# KiCad board shimarray.kicad_pcb (continued)
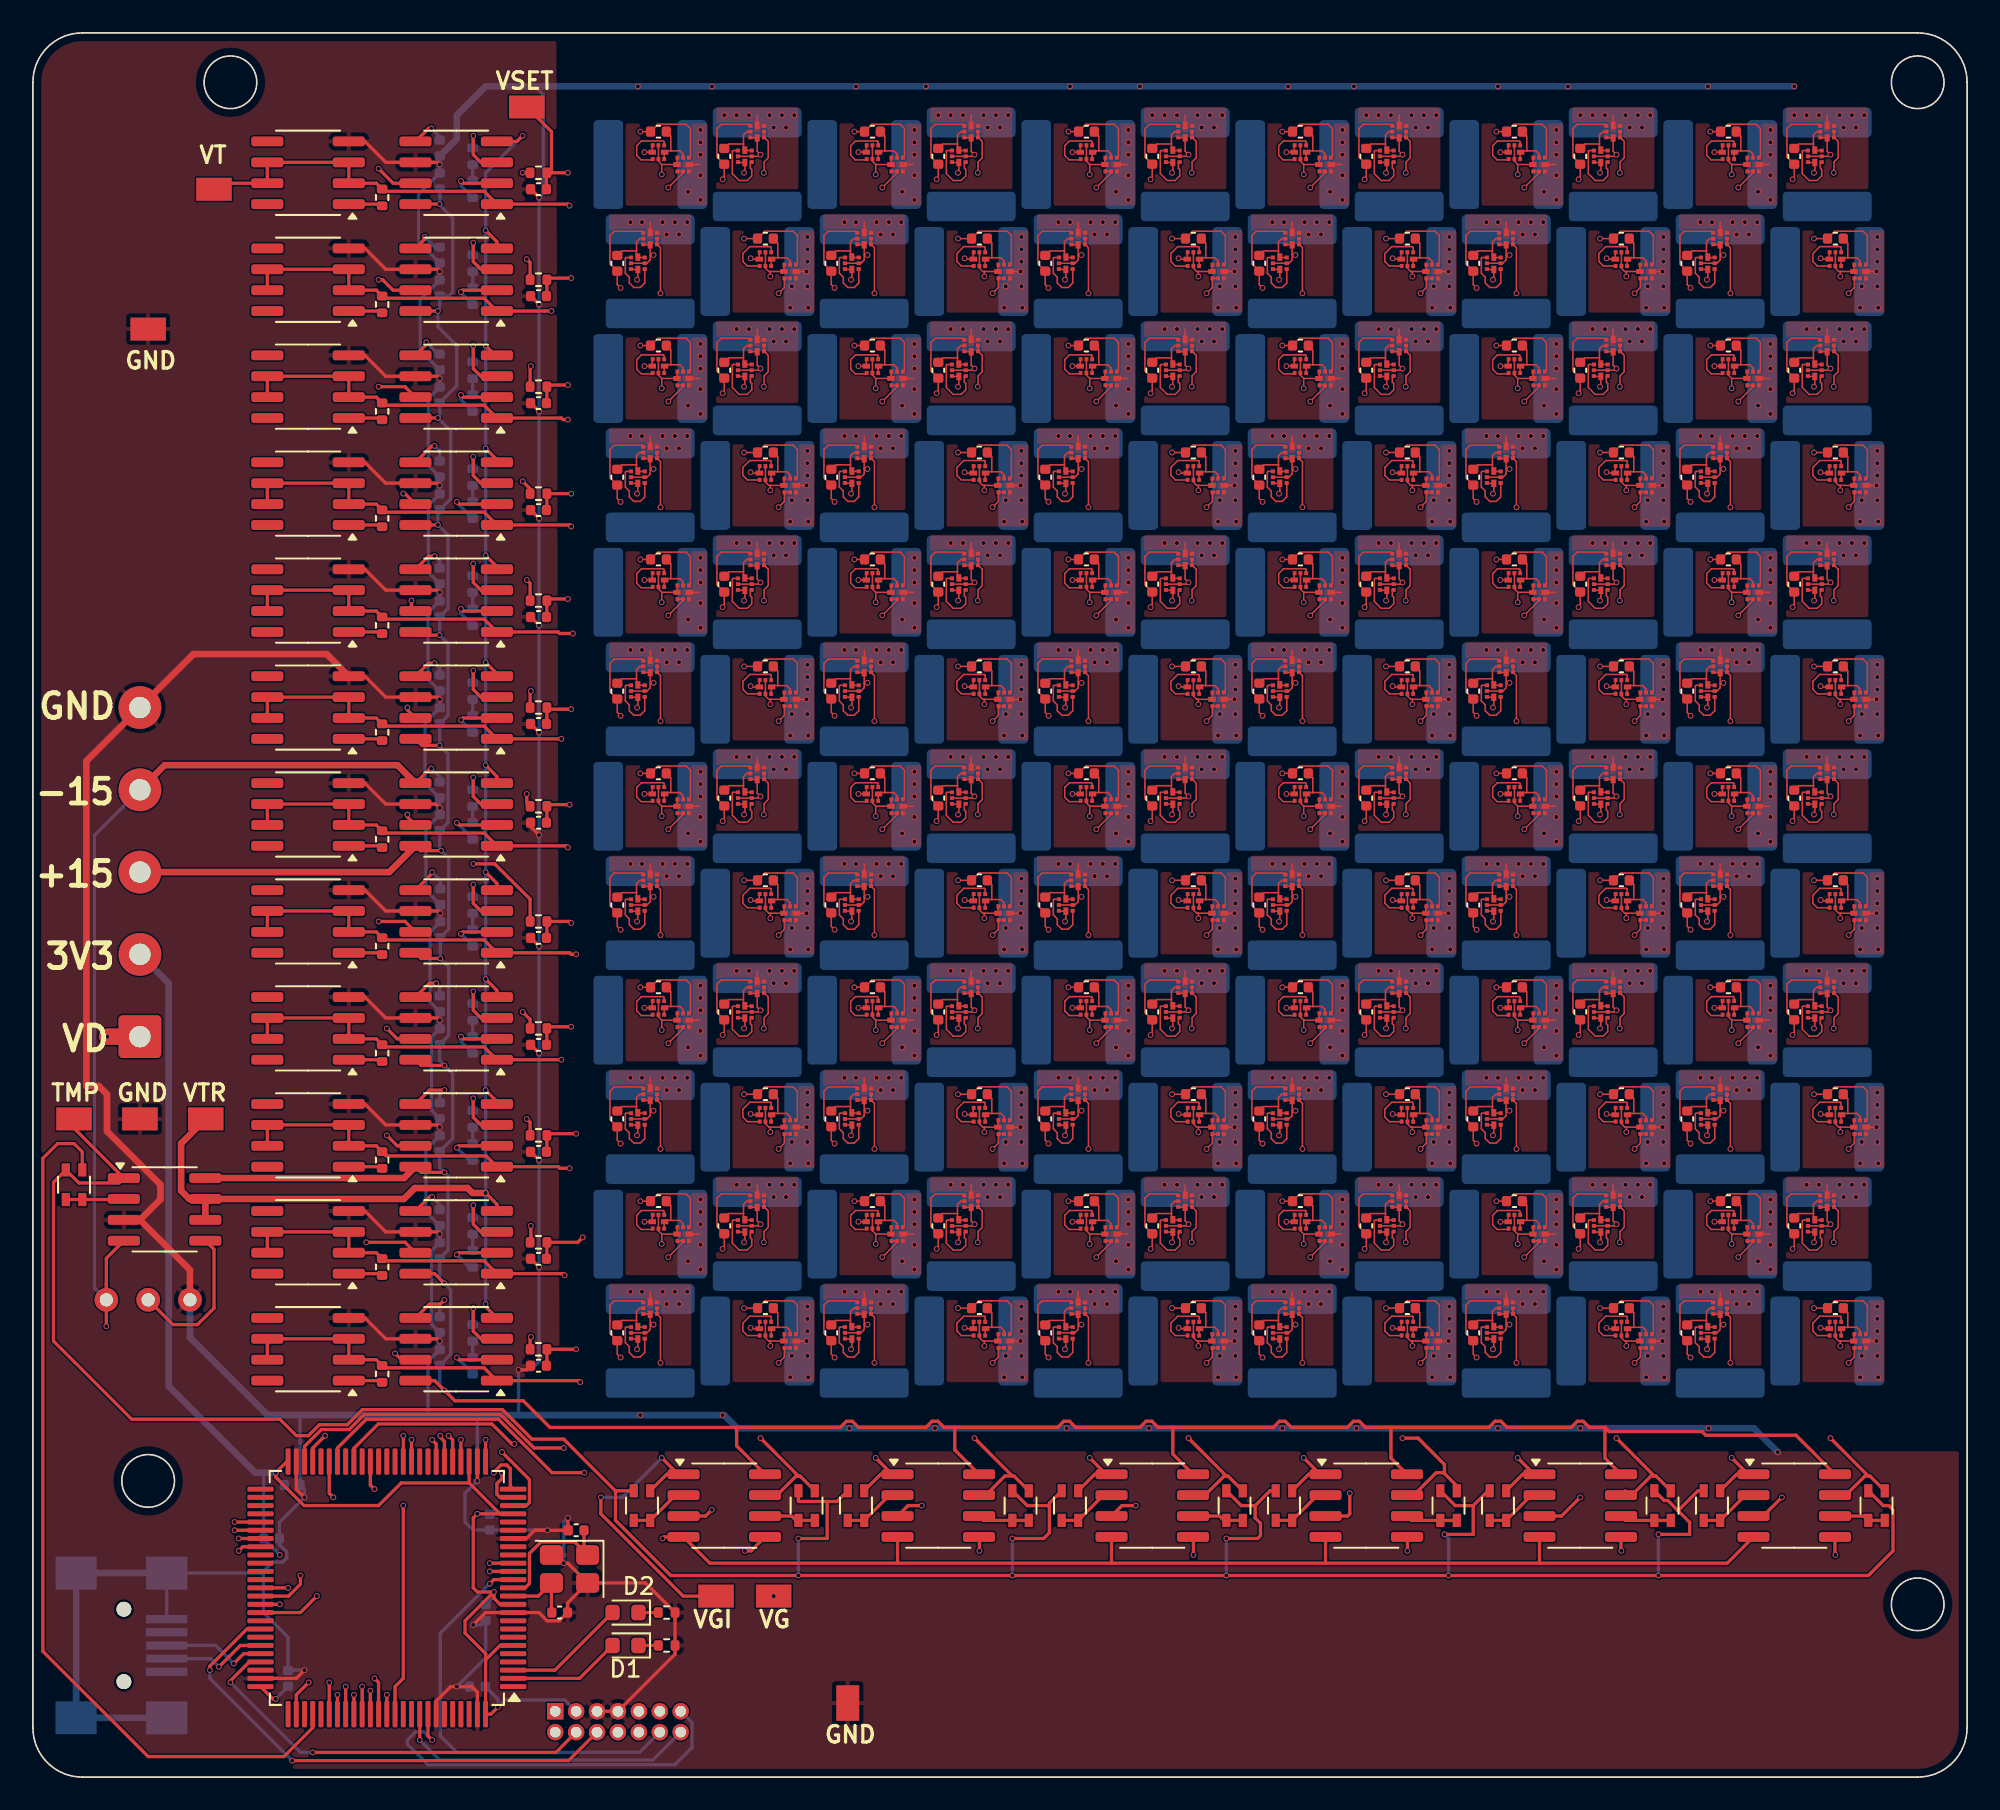
[diagram p0: board, top side]
## Nets (continued)
Net-(R33-Pad2): R33.2 U21.2
Net-(R34-Pad2): R34.2 U21.3
Net-(R35-Pad1): R35.1 U20.1
Net-(R36-Pad1): R36.1 R37.1
Net-(R36-Pad2): R36.2 U23.2
Net-(R37-Pad2): R37.2 U23.3
Net-(R38-Pad1): R38.1 U22.1
Net-(R39-Pad1): R39.1 R40.1
Net-(R39-Pad2): R39.2 U25.2
Net-(R40-Pad2): R40.2 U25.3
Net-(R41-Pad1): R41.1 U24.1
Net-(R42-Pad1): R42.1 R43.1
Net-(R42-Pad2): R42.2 U27.2
Net-(R43-Pad2): R43.2 U27.3
Net-(R44-Pad1): R44.1 U26.1
Net-(R45-Pad1): R45.1 R46.1
Net-(R45-Pad2): R45.2 U30.2
Net-(R46-Pad2): R46.2 U30.3
Net-(R47-Pad1): R47.1 U29.1
Net-(R48-Pad1): R48.1 R49.1
Net-(R48-Pad2): R48.2 U32.2
Net-(R49-Pad2): R49.2 U32.3
Net-(R50-Pad1): R50.1 U31.1
Net-(RN1-R1.1): RN1.1 RN1.2 U2.2
Net-(RN2-R1.2): RN2.3 RN2.4 U3.2
Net-(RN3-R1.2): RN3.3 RN3.4 U3.6
Net-(RN4-R1.2): RN4.3 RN4.4 U4.2
Net-(RN5-R1.2): RN5.3 RN5.4 U4.6
Net-(RN6-R1.2): RN6.3 RN6.4 U5.2
Net-(RN7-R1.2): RN7.3 RN7.4 U5.6
Net-(RN8-R1.2): RN8.3 RN8.4 U6.2
Net-(RN9-R1.2): RN9.3 RN9.4 U6.6
Net-(RN10-R1.2): RN10.3 RN10.4 U7.2
Net-(RN11-R1.2): RN11.3 RN11.4 U7.6
Net-(RN12-R1.2): RN12.3 RN12.4 U28.2
Net-(RN13-R1.2): RN13.3 RN13.4 U28.6
Net-(U1-OSC_IN): C1.1 U1.12 Y1.3
Net-(U1-OSC_OUT): C2.1 U1.13 Y1.1
Net-(U2B-+): RV1.2 U2.5

Pads without a net: FB1 2; FB2 2; FB3 2; FB4 2; FB5 2; FB6 2; FB7 2; FB8 2; FB9 2; FB10 2; FB11 2; FB12 2; FB13 2; FB14 2; FB15 2; FB16 2; FB17 2; FB18 2; FB19 2; FB20 2; FB21 2; FB22 2; FB23 2; FB24 2; FB25 2; FB26 2; FB27 2; FB28 2; FB29 2; FB30 2; FB31 2; FB32 2; FB33 2; FB34 2; FB35 2; FB36 2; FB37 2; FB38 2; FB39 2; FB40 2; FB41 2; FB42 2; FB43 2; FB44 2; FB45 2; FB46 2; FB47 2; FB48 2; FB49 2; FB50 2; FB51 2; FB52 2; FB53 2; FB54 2; FB55 2; FB56 2; FB57 2; FB58 2; FB59 2; FB60 2; FB61 2; FB62 2; FB63 2; FB64 2; FB65 2; FB66 2; FB67 2; FB68 2; FB69 2; FB70 2; FB71 2; FB72 2; FB73 2; FB74 2; FB75 2; FB76 2; FB77 2; FB78 2; FB79 2; FB80 2; FB81 2; FB82 2; FB83 2; FB84 2; FB85 2; FB86 2; FB87 2; FB88 2; FB89 2; FB90 2; FB91 2; FB92 2; FB93 2; FB94 2; FB95 2; FB96 2; FB97 2; FB98 2; FB99 2; FB100 2; FB101 2; FB102 2; FB103 2; FB104 2; FB105 2; FB106 2; FB107 2; FB108 2; FB109 2; FB110 2; FB111 2; FB112 2; FB113 2; FB114 2; FB115 2; FB116 2; FB117 2; FB118 2; FB119 2; FB120 2; FB121 2; FB122 2; FB123 2; FB124 2; FB125 2; FB126 2; FB127 2; FB128 2; FB129 2; FB130 2; FB131 2; FB132 2; FB133 2; FB134 2; FB135 2; FB136 2; FB137 2; FB138 2; FB139 2; FB140 2; FB141 2; FB142 2; FB143 2; FB144 2; J2 1 2 8 9 10 11; J3 1 4; U1 1 4 5 7 8 9 17 18 20 21 33 34 37 38 39 41 43 46 51 52 53 54 59 60 61 62 67 69 73 76 78 80 90 91 95 96 97 98; U8 5 8; U10 5 8; U12 5 8; U14 5 8; U16 5 8; U18 5 8; U20 5 8; U22 5 8; U24 5 8; U26 5 8; U29 5 8; U31 5 8

## Via types
v1: diameter 0.35, hole 0.25, Top to Bottom, 1844 vias

## Routing (per net, layer and track width the routed paths; a pad name or vN(x,y) marks a point on that pad's centre or on a via; arc(x,y) is an arc through that point)
+3.3V: length 103.4
  Top w0.2: v1(14.75,4.75) 14.58,4.75 U1.75 ; 27.5,7.12 28.38,8 U1.6 ; 27.5,7.12 27.5,7.5 26.25,8.75 26.25,9.5 v1(28,11.25) ; 27.5,7.12 U1.100 27.82,3.82 v1(28.25,4.25) ; v1(28,11.25) 27,11.25 26.75,11.5 26.75,15.75 v1(27,16) U1.22 28.38,16 26.5,17.88 ; v1(28,11.25) 28,10.88 28.38,10.5 U1.11 ; 26.5,17.88 U1.28 ; 26.5,17.88 22.38,17.88 21,16.5 16.47,16.5 14.75,18.22 v1(14.75,18.5) 15.42,19.18 U1.50
  In1.Cu w0.2: v1(14.75,4.75) 14.25,5.25 14.25,12.75 v1(15,13.5)
  Bottom w0.2: C4.1 28,10.98 v1(28,11.25) ; J2.3 32.31,4.69 28.69,4.69 v1(28.25,4.25) 28.25,4.73 C5.1 ; C3.1 15.5,5.5 v1(14.75,4.75) ; C7.1 14.75,18.27 v1(14.75,18.5) 14.02,18.5 C6.1 14.02,14.48 v1(15,13.5) ; C8.1 27.73,16 v1(27,16)
  Bottom w0.4: J4.2 8.25,48.25 8.25,23.75 13.5,18.5 v1(14.75,18.5)
+15V: length 236.7
  Top w0.2: U27.8 24.41,24.09 v1(25,23.5) 25.63,22.87 29.79,22.87 31.41,21.25 42.75,21.25 ; v1(24.7,62.7) 23.63,62.7 U15.8 ; U21.8 23.58,43.25 v1(25,43.25) ; 42.75,21.25 49.05,21.25 49.42,21.62 49.78,21.62 50.15,21.25 54.25,21.25 54.62,21.62 54.98,21.62 55.35,21.25 56,21.25 ; 42.75,21.25 42.75,20.13 U28.8 ; U23.8 23.58,36.75 v1(25,36.75) ; U9.8 23.24,82.6 v1(24.6,82.6) ; 56,21.25 62.25,21.25 62.62,21.62 62.98,21.62 63.35,21.25 67.25,21.25 67.62,21.62 67.98,21.62 68.35,21.25 69.25,21.25 ; 56,21.25 56,19.88 U3.8 ; U30.8 23.24,95.6 v1(24.7,95.6) ; 95.5,21.25 94.55,21.25 94.18,21.62 93.82,21.62 93.45,21.25 89.55,21.25 89.18,21.62 88.82,21.62 88.45,21.25 82.5,21.25 ; 95.5,21.25 95.75,21 101.4,21 101.62,20.78 107.1,20.78 U7.8 ; 95.5,21.25 95.5,19.38 U6.8 ; 69.25,21.25 75.35,21.25 75.72,21.62 76.08,21.62 76.45,21.25 79.85,21.25 80.22,21.62 80.58,21.62 80.95,21.25 82.5,21.25 ; 69.25,21.25 69.25,19.63 U4.8 ; U11.8 24.59,76.09 v1(24.6,76.1) ; U25.8 24.41,30.59 v1(25,30) ; U19.8 23.58,49.75 v1(24.75,49.75) ; U17.8 23.53,56.3 v1(24.8,56.3) ; 82.5,21.25 82.5,19.38 U5.8 ; U32.8 23.24,89.1 v1(24.6,89.1) ; v1(24.7,69.4) 23.43,69.4 U13.8
  Top w0.4: U2.8 22.55,36.41 U23.8 ; U17.8 21.64,55 J4.3
  Bottom w0.2: v1(25,23.5) 24.71,23.79 C64.1 25.38,25.68 25.38,29.62 v1(25,30) 24.71,30.29 C62.1 25.22,32.02 25.22,36.53 v1(25,36.75) 24.71,37.04 C60.1 25.5,38.81 25.5,42.75 v1(25,43.25) 24.71,43.54 C58.1 25.25,45.06 25.25,49.25 v1(24.75,49.75) C56.1 25.25,51.52 25.25,55.85 v1(24.8,56.3) 24.71,56.39 C54.1 25.22,58.02 25.22,62.18 v1(24.7,62.7) 24.71,62.71 C52.1 25.22,64.52 25.22,68.88 v1(24.7,69.4) 24.71,69.41 C50.1 25.22,71.02 25.22,75.48 v1(24.6,76.1) 24.6,76.91 C48.1 25.37,77.68 25.37,81.83 v1(24.6,82.6) 24.71,82.71 C46.1 25.75,84.56 25.75,87 24.6,88.15 v1(24.6,89.1) 24.71,89.21 C160.1 25.27,90.02 25.5,90.25 25.5,94.75 24.71,95.54 C158.1 24.71,95.61 v1(24.7,95.6)
-15V: length 301.5
  Top w0.2: 4.46,30 v1(4.46,27.4) ; 4.46,30 4.46,31.53 U2.4 ; 4.46,30 RV1.3 ; v1(23.9,87.2) 23.9,87.07 U9.5 ; 91.5,13 91.53,13.03 U6.4 ; 91.5,13 78.5,13 ; 91.5,13 102.93,13 U7.4 ; v1(25,29) 24.75,28.75 24.08,28.75 U27.5 ; 78.5,13 78.53,13.03 U5.4 ; 78.5,13 65.5,13 ; 52.5,13 41.12,13 U28.4 38.34,14.59 v1(38.25,14.5) ; 52.5,13 52.53,13.03 U3.4 ; 52.5,13 65.5,13 ; U25.5 24.08,35.25 v1(24.25,35.25) ; U17.5 24.13,61.3 v1(24.2,61.3) ; v1(25,41.75) 24.08,41.75 U23.5 ; 65.5,13 65.53,13.03 U4.4 ; U11.5 24.23,80.9 v1(24.4,80.9) ; U19.5 24.25,54.92 v1(24.25,55) ; U21.5 24.08,48.25 v1(24.5,48.25) ; v1(23.8,93.6) 23.8,93.47 U32.5 ; U13.5 24.03,74.2 v1(24.4,74.2) ; v1(24.2,100.2) 24.03,100.2 U30.5 ; U15.5 24.03,67.7 v1(24.4,67.7)
  Top w0.4: J4.4 8,61.5 22.14,61.5 U17.5
  In2.Cu w0.2: 22,87.25 22,84.35 22.17,84.18 22.17,83.82 22,83.65 22,81 ; 22,87.25 22,93.75 ; 22,87.25 23.85,87.25 v1(23.9,87.2) ; 22.29,48.87 22.91,48.25 v1(24.5,48.25) ; 22.29,48.87 22.29,51.12 22,51.41 22,55 ; 22.29,48.87 22.8,48.36 22.8,41.86 ; v1(24.25,55) 22,55 ; 22,55 22,61.25 ; 22,93.75 22,99.5 22.7,100.2 v1(24.2,100.2) ; 22,93.75 23.65,93.75 v1(23.8,93.6) ; 22,81 24.3,81 v1(24.4,80.9) ; 22,81 22,74.25 ; 22.8,41.86 22.8,41.6 22.79,41.59 22.79,30.87 22.8,30.86 22.8,29.36 23.41,28.75 24.75,28.75 v1(25,29) ; 22.8,41.86 22.8,41.75 v1(25,41.75) ; 22,74.25 22,67.75 ; 22,74.25 24.35,74.25 v1(24.4,74.2) ; 22,67.75 22,61.25 ; 22,67.75 22.05,67.7 v1(24.4,67.7) ; v1(4.46,27.4) 4.46,25.79 19.5,10.75 34.5,10.75 v1(38.25,14.5) ; 22.91,35.25 v1(24.25,35.25) ; 22,61.25 24.15,61.25 v1(24.2,61.3)
  Bottom w0.2: C49.1 24.71,73.89 v1(24.4,74.2) ; v1(24.4,67.7) 24.71,67.39 C51.1 ; C61.1 24.71,34.79 v1(24.25,35.25) ; C157.1 24.71,99.69 v1(24.2,100.2) ; C63.1 24.71,28.71 v1(25,29) ; v1(23.9,87.2) 24.62,86.48 C45.1 ; RV1.3 3.74,29.72 3.74,57.24 J4.4 ; v1(25,41.75) 24.71,41.46 C59.1 ; C159.1 24.42,92.98 v1(23.8,93.6) ; v1(24.5,48.25) 24.71,48.04 C57.1 ; C47.1 24.71,80.59 v1(24.4,80.9) ; v1(24.25,55) 24.75,54.5 C55.1 ; C53.1 24.71,60.79 v1(24.2,61.3)
GND: length 2443.3
  Top w0.09: Q260.3 72.45,27.01 72.45,28.68 72.18,28.95 70.47,28.95 C174.2 v1(69.2,28.5) ; v1(35.7,64.5) 35.5,64.7 C91.2 35.05,65.97 35.05,67.68 35.32,67.95 36.99,67.95 Q102.3 ; v1(93.9,84.1) 94,84.2 C81.2 93.55,85.47 93.55,87.18 93.82,87.45 95.49,87.45 Q82.3 ; Q106.3 56.49,74.45 54.82,74.45 54.55,74.18 54.55,72.47 C93.2 55,71.2 v1(54.9,71.1) ; v1(49.9,35) C172.2 50.97,35.45 52.68,35.45 52.95,35.18 52.95,33.51 Q256.3 ; Q54.3 36.99,80.95 35.32,80.95 35.05,80.68 35.05,78.97 C67.2 35.5,77.7 v1(35.7,77.5) ; Q90.3 108.49,87.45 106.82,87.45 106.55,87.18 106.55,85.47 C85.2 107,84.2 v1(106.9,84.1) ; v1(87.7,38.5) 87.5,38.7 C155.2 87.05,39.97 87.05,41.68 87.32,41.95 88.99,41.95 Q230.3 ; v1(56.2,28.5) C170.2 57.47,28.95 59.18,28.95 59.45,28.68 59.45,27.01 Q252.3 ; Q2.3 39.95,98.51 39.95,100.18 39.68,100.45 37.97,100.45 C21.2 v1(36.9,100) ; Q32.3 95.49,100.45 93.82,100.45 93.55,100.18 93.55,98.47 C36.2 94,97.2 v1(93.9,97.1) ; v1(106.9,32.1) 107,32.2 C185.2 106.55,33.47 106.55,35.18 106.82,35.45 108.49,35.45 Q282.3 ; Q280.3 91.95,33.51 91.95,35.18 91.68,35.45 89.97,35.45 C184.2 v1(88.9,35) ; v1(36.9,87) C68.2 37.97,87.45 39.68,87.45 39.95,87.18 39.95,85.51 Q56.3 ; v1(80.9,32.1) 81,32.2 C177.2 80.55,33.47 80.55,35.18 80.82,35.45 82.49,35.45 Q266.3 ; v1(106.9,97.1) 107,97.2 C41.2 106.55,98.47 106.55,100.18 106.82,100.45 108.49,100.45 Q42.3 ; v1(82.2,93.5) C33.2 83.47,93.95 85.18,93.95 85.45,93.68 85.45,92.01 Q26.3 ; v1(75.9,61) C128.2 76.97,61.45 78.68,61.45 78.95,61.18 78.95,59.51 Q176.3 ; v1(95.2,41.5) C154.2 96.47,41.95 98.18,41.95 98.45,41.68 98.45,40.01 Q228.3 ; Q200.3 39.95,46.51 39.95,48.18 39.68,48.45 37.97,48.45 C140.2 v1(36.9,48) ; Q232.3 91.95,46.51 91.95,48.18 91.68,48.45 89.97,48.45 C156.2 v1(88.9,48) ; v1(108.2,93.5) C42.2 109.47,93.95 111.18,93.95 111.45,93.68 111.45,92.01 Q44.3 ; Q274.3 95.49,35.45 93.82,35.45 93.55,35.18 93.55,33.47 C181.2 94,32.2 v1(93.9,32.1) ; Q80.3 78.95,85.51 78.95,87.18 78.68,87.45 76.97,87.45 C80.2 v1(75.9,87) ; v1(54.9,84.1) 55,84.2 C69.2 54.55,85.47 54.55,87.18 54.82,87.45 56.49,87.45 Q58.3 ; v1(41.9,84.1) 42,84.2 C65.2 41.55,85.47 41.55,87.18 41.82,87.45 43.49,87.45 Q50.3 ; v1(49.9,87) C72.2 50.97,87.45 52.68,87.45 52.95,87.18 52.95,85.51 Q64.3 ; v1(35.7,25.5) 35.5,25.7 C167.2 35.05,26.97 35.05,28.68 35.32,28.95 36.99,28.95 Q246.3 ; v1(41.9,71.1) 42,71.2 C89.2 41.55,72.47 41.55,74.18 41.82,74.45 43.49,74.45 Q98.3 ; Q154.3 56.49,61.45 54.82,61.45 54.55,61.18 54.55,59.47 C117.2 55,58.2 v1(54.9,58.1) ; Q204.3 59.45,40.01 59.45,41.68 59.18,41.95 57.47,41.95 C142.2 v1(56.2,41.5) ; v1(48.7,51.5) 48.5,51.7 C119.2 48.05,52.97 48.05,54.68 48.32,54.95 49.99,54.95 Q158.3 ; Q238.3 101.99,41.95 100.32,41.95 100.05,41.68 100.05,39.97 C163.2 100.5,38.7 v1(100.7,38.5) ; v1(74.7,51.5) 74.5,51.7 C127.2 74.05,52.97 74.05,54.68 74.32,54.95 75.99,54.95 Q174.3 ; v1(88.9,74) C108.2 89.97,74.45 91.68,74.45 91.95,74.18 91.95,72.51 Q136.3 ; v1(69.2,54.5) C122.2 70.47,54.95 72.18,54.95 72.45,54.68 72.45,53.01 Q164.3 ; v1(80.9,71.1) 81,71.2 C101.2 80.55,72.47 80.55,74.18 80.82,74.45 82.49,74.45 Q122.3 ; v1(61.7,51.5) 61.5,51.7 C123.2 61.05,52.97 61.05,54.68 61.32,54.95 62.99,54.95 Q166.3 ; Q146.3 43.49,61.45 41.82,61.45 41.55,61.18 41.55,59.47 C113.2 42,58.2 v1(41.9,58.1) ; Q34.3 98.45,92.01 98.45,93.68 98.18,93.95 96.47,93.95 C37.2 v1(95.2,93.5) ; v1(88.9,100) C39.2 89.97,100.45 91.68,100.45 91.95,100.18 91.95,98.51 Q38.3 ; Q222.3 75.99,41.95 74.32,41.95 74.05,41.68 74.05,39.97 C151.2 74.5,38.7 v1(74.7,38.5) ; Q264.3 65.95,33.51 65.95,35.18 65.68,35.45 63.97,35.45 C176.2 v1(62.9,35) ; Q288.3 104.95,33.51 104.95,35.18 104.68,35.45 102.97,35.45 C188.2 v1(101.9,35) ; v1(56.2,54.5) C118.2 57.47,54.95 59.18,54.95 59.45,54.68 59.45,53.01 Q156.3 ; Q76.3 85.45,79.01 85.45,80.68 85.18,80.95 83.47,80.95 C78.2 v1(82.2,80.5) ; v1(87.7,90.5) 87.5,90.7 C38.2 87.05,91.97 87.05,93.68 87.32,93.95 88.99,93.95 Q36.3 ; v1(35.7,90.5) 35.5,90.7 C23.2 35.05,91.97 35.05,93.68 35.32,93.95 36.99,93.95 Q6.3 ; v1(95.2,67.5) C106.2 96.47,67.95 98.18,67.95 98.45,67.68 98.45,66.01 Q132.3 ; Q14.3 49.99,93.95 48.32,93.95 48.05,93.68 48.05,91.97 C27.2 48.5,90.7 v1(48.7,90.5) ; Q258.3 69.49,35.45 67.82,35.45 67.55,35.18 67.55,33.47 C173.2 68,32.2 v1(67.9,32.1) ; v1(54.9,97.1) 55,97.2 C25.2 54.55,98.47 54.55,100.18 54.82,100.45 56.49,100.45 Q10.3 ; Q250.3 56.49,35.45 54.82,35.45 54.55,35.18 54.55,33.47 C169.2 55,32.2 v1(54.9,32.1) ; v1(43.2,80.5) C66.2 44.47,80.95 46.18,80.95 46.45,80.68 46.45,79.01 Q52.3 ; Q208.3 52.95,46.51 52.95,48.18 52.68,48.45 50.97,48.45 C144.2 v1(49.9,48) ; Q48.3 104.95,98.51 104.95,100.18 104.68,100.45 102.97,100.45 C44.2 v1(101.9,100) ; Q276.3 98.45,27.01 98.45,28.68 98.18,28.95 96.47,28.95 C182.2 v1(95.2,28.5) ; Q286.3 101.99,28.95 100.32,28.95 100.05,28.68 100.05,26.97 C187.2 100.5,25.7 v1(100.7,25.5) ; Q196.3 46.45,40.01 46.45,41.68 46.18,41.95 44.47,41.95 C138.2 v1(43.2,41.5) ; v1(108.2,28.5) C186.2 109.47,28.95 111.18,28.95 111.45,28.68 111.45,27.01 Q284.3 ; Q216.3 65.95,46.51 65.95,48.18 65.68,48.45 63.97,48.45 C148.2 v1(62.9,48) ; Q60.3 59.45,79.01 59.45,80.68 59.18,80.95 57.47,80.95 C70.2 v1(56.2,80.5) ; v1(74.7,25.5) 74.5,25.7 C179.2 74.05,26.97 74.05,28.68 74.32,28.95 75.99,28.95 Q270.3 ; Q16.3 69.49,100.45 67.82,100.45 67.55,100.18 67.55,98.47 C28.2 68,97.2 v1(67.9,97.1) ; v1(61.7,38.5) 61.5,38.7 C147.2 61.05,39.97 61.05,41.68 61.32,41.95 62.99,41.95 Q214.3 ; v1(80.9,45.1) 81,45.2 C149.2 80.55,46.47 80.55,48.18 80.82,48.45 82.49,48.45 Q218.3 ; Q262.3 62.99,28.95 61.32,28.95 61.05,28.68 61.05,26.97 C175.2 61.5,25.7 v1(61.7,25.5) ; Q12.3 59.45,92.01 59.45,93.68 59.18,93.95 57.47,93.95 C26.2 v1(56.2,93.5) ; v1(75.9,48) C152.2 76.97,48.45 78.68,48.45 78.95,48.18 78.95,46.51 Q224.3 ; Q210.3 69.49,48.45 67.82,48.45 67.55,48.18 67.55,46.47 C145.2 68,45.2 v1(67.9,45.1) ; Q140.3 111.45,66.01 111.45,67.68 111.18,67.95 109.47,67.95 C110.2 v1(108.2,67.5) ; Q202.3 56.49,48.45 54.82,48.45 54.55,48.18 54.55,46.47 C141.2 55,45.2 v1(54.9,45.1) ; Q184.3 91.95,59.51 91.95,61.18 91.68,61.45 89.97,61.45 C132.2 v1(88.9,61) ; Q18.3 72.45,92.01 72.45,93.68 72.18,93.95 70.47,93.95 C29.2 v1(69.2,93.5) ; v1(82.2,54.5) C126.2 83.47,54.95 85.18,54.95 85.45,54.68 85.45,53.01 Q172.3 ; Q236.3 111.45,40.01 111.45,41.68 111.18,41.95 109.47,41.95 C162.2 v1(108.2,41.5) ; v1(87.7,77.5) 87.5,77.7 C83.2 87.05,78.97 87.05,80.68 87.32,80.95 88.99,80.95 Q86.3 ; Q78.3 75.99,80.95 74.32,80.95 74.05,80.68 74.05,78.97 C79.2 74.5,77.7 v1(74.7,77.5) ; Q168.3 65.95,59.51 65.95,61.18 65.68,61.45 63.97,61.45 C124.2 v1(62.9,61) ; Q162.3 69.49,61.45 67.82,61.45 67.55,61.18 67.55,59.47 C121.2 68,58.2 v1(67.9,58.1) ; Q268.3 85.45,27.01 85.45,28.68 85.18,28.95 83.47,28.95 C178.2 v1(82.2,28.5) ; v1(108.2,54.5) C134.2 109.47,54.95 111.18,54.95 111.45,54.68 111.45,53.01 Q188.3 ; Q142.3 101.99,67.95 100.32,67.95 100.05,67.68 100.05,65.97 C111.2 100.5,64.7 v1(100.7,64.5) ; v1(75.9,74) C104.2 76.97,74.45 78.68,74.45 78.95,74.18 78.95,72.51 Q128.3 ; Q240.3 104.95,46.51 104.95,48.18 104.68,48.45 102.97,48.45 C164.2 v1(101.9,48) ; v1(101.9,61) C136.2 102.97,61.45 104.68,61.45 104.95,61.18 104.95,59.51 Q192.3 ; Q234.3 108.49,48.45 106.82,48.45 106.55,48.18 106.55,46.47 C161.2 107,45.2 v1(106.9,45.1) ; v1(67.9,84.1) 68,84.2 C73.2 67.55,85.47 67.55,87.18 67.82,87.45 69.49,87.45 Q66.3 ; Q20.3 62.99,93.95 61.32,93.95 61.05,93.68 61.05,91.97 C30.2 61.5,90.7 v1(61.7,90.5) ; v1(35.7,38.5) 35.5,38.7 C139.2 35.05,39.97 35.05,41.68 35.32,41.95 36.99,41.95 Q198.3 ; v1(106.9,58.1) 107,58.2 C133.2 106.55,59.47 106.55,61.18 106.82,61.45 108.49,61.45 Q186.3 ; Q206.3 49.99,41.95 48.32,41.95 48.05,41.68 48.05,39.97 C143.2 48.5,38.7 v1(48.7,38.5) ; Q220.3 85.45,40.01 85.45,41.68 85.18,41.95 83.47,41.95 C150.2 v1(82.2,41.5) ; v1(41.9,45.1) 42,45.2 C137.2 41.55,46.47 41.55,48.18 41.82,48.45 43.49,48.45 Q194.3 ; v1(43.2,67.5) C90.2 44.47,67.95 46.18,67.95 46.45,67.68 46.45,66.01 Q100.3 ; Q272.3 78.95,33.51 78.95,35.18 78.68,35.45 76.97,35.45 C180.2 v1(75.9,35) ; v1(74.7,90.5) 74.5,90.7 C34.2 74.05,91.97 74.05,93.68 74.32,93.95 75.99,93.95 Q28.3 ; v1(49.9,100) C40.2 50.97,100.45 52.68,100.45 52.95,100.18 52.95,98.51 Q40.3 ; Q114.3 69.49,74.45 67.82,74.45 67.55,74.18 67.55,72.47 C97.2 68,71.2 v1(67.9,71.1) ; Q62.3 49.99,80.95 48.32,80.95 48.05,80.68 48.05,78.97 C71.2 48.5,77.7 v1(48.7,77.5) ; v1(74.7,64.5) 74.5,64.7 C103.2 74.05,65.97 74.05,67.68 74.32,67.95 75.99,67.95 Q126.3 ; Q182.3 88.99,54.95 87.32,54.95 87.05,54.68 87.05,52.97 C131.2 87.5,51.7 v1(87.7,51.5) ; v1(35.7,51.5) 35.5,51.7 C115.2 35.05,52.97 35.05,54.68 35.32,54.95 36.99,54.95 Q150.3 ; Q212.3 72.45,40.01 72.45,41.68 72.18,41.95 70.47,41.95 C146.2 v1(69.2,41.5) ; Q74.3 82.49,87.45 80.82,87.45 80.55,87.18 80.55,85.47 C77.2 81,84.2 v1(80.9,84.1) ; v1(43.2,54.5) C114.2 44.47,54.95 46.18,54.95 46.45,54.68 46.45,53.01 Q148.3 ; Q248.3 39.95,33.51 39.95,35.18 39.68,35.45 37.97,35.45 C168.2 v1(36.9,35) ; v1(62.9,87) C76.2 63.97,87.45 65.68,87.45 65.95,87.18 65.95,85.51 Q72.3 ; v1(95.2,80.5) C82.2 96.47,80.95 98.18,80.95 98.45,80.68 98.45,79.01 Q84.3 ; Q108.3 59.45,66.01 59.45,67.68 59.18,67.95 57.47,67.95 C94.2 v1(56.2,67.5) ; v1(43.2,28.5) C166.2 44.47,28.95 46.18,28.95 46.45,28.68 46.45,27.01 Q244.3 ; Q88.3 91.95,85.51 91.95,87.18 91.68,87.45 89.97,87.45 C84.2 v1(88.9,87) ; v1(43.2,93.5) C24.2 44.47,93.95 46.18,93.95 46.45,93.68 46.45,92.01 Q8.3 ; Q112.3 52.95,72.51 52.95,74.18 52.68,74.45 50.97,74.45 C96.2 v1(49.9,74) ; v1(48.7,25.5) 48.5,25.7 C171.2 48.05,26.97 48.05,28.68 48.32,28.95 49.99,28.95 Q254.3 ; v1(61.7,64.5) 61.5,64.7 C99.2 61.05,65.97 61.05,67.68 61.32,67.95 62.99,67.95 Q118.3 ; Q94.3 101.99,80.95 100.32,80.95 100.05,80.68 100.05,78.97 C87.2 100.5,77.7 v1(100.7,77.5) ; Q278.3 88.99,28.95 87.32,28.95 87.05,28.68 87.05,26.97 C183.2 87.5,25.7 v1(87.7,25.5) ; v1(80.9,58.1) 81,58.2 C125.2 80.55,59.47 80.55,61.18 80.82,61.45 82.49,61.45 Q170.3 ; v1(93.9,58.1) 94,58.2 C129.2 93.55,59.47 93.55,61.18 93.82,61.45 95.49,61.45 Q178.3 ; v1(41.9,97.1) 42,97.2 C22.2 41.55,98.47 41.55,100.18 41.82,100.45 43.49,100.45 Q4.3 ; v1(48.7,64.5) 48.5,64.7 C95.2 48.05,65.97 48.05,67.68 48.32,67.95 49.99,67.95 Q110.3 ; v1(62.9,74) C100.2 63.97,74.45 65.68,74.45 65.95,74.18 65.95,72.51 Q120.3 ; v1(100.7,90.5) 100.5,90.7 C43.2 100.05,91.97 100.05,93.68 100.32,93.95 101.99,93.95 Q46.3 ; v1(69.2,67.5) C98.2 70.47,67.95 72.18,67.95 72.45,67.68 72.45,66.01 Q116.3 ; Q226.3 95.49,48.45 93.82,48.45 93.55,48.18 93.55,46.47 C153.2 94,45.2 v1(93.9,45.1) ; Q138.3 108.49,74.45 106.82,74.45 106.55,74.18 106.55,72.47 C109.2 107,71.2 v1(106.9,71.1) ; Q180.3 98.45,53.01 98.45,54.68 98.18,54.95 96.47,54.95 C130.2 v1(95.2,54.5) ; Q104.3 39.95,72.51 39.95,74.18 39.68,74.45 37.97,74.45 C92.2 v1(36.9,74) ; v1(87.7,64.5) 87.5,64.7 C107.2 87.05,65.97 87.05,67.68 87.32,67.95 88.99,67.95 Q134.3 ; Q242.3 43.49,35.45 41.82,35.45 41.55,35.18 41.55,33.47 C165.2 42,32.2 v1(41.9,32.1) ; v1(101.9,87) C88.2 102.97,87.45 104.68,87.45 104.95,87.18 104.95,85.51 Q96.3 ; Q92.3 111.45,79.01 111.45,80.68 111.18,80.95 109.47,80.95 C86.2 v1(108.2,80.5) ; Q24.3 82.49,100.45 80.82,100.45 80.55,100.18 80.55,98.47 C32.2 81,97.2 v1(80.9,97.1) ; Q152.3 39.95,59.51 39.95,61.18 39.68,61.45 37.97,61.45 C116.2 v1(36.9,61) ; v1(82.2,67.5) C102.2 83.47,67.95 85.18,67.95 85.45,67.68 85.45,66.01 Q124.3 ; v1(75.9,100) C35.2 76.97,100.45 78.68,100.45 78.95,100.18 78.95,98.51 Q30.3 ; v1(100.7,51.5) 100.5,51.7 C135.2 100.05,52.97 100.05,54.68 100.32,54.95 101.99,54.95 Q190.3 ; Q68.3 72.45,79.01 72.45,80.68 72.18,80.95 70.47,80.95 C74.2 v1(69.2,80.5) ; Q22.3 65.95,98.51 65.95,100.18 65.68,100.45 63.97,100.45 C31.2 v1(62.9,100) ; v1(101.9,74) C112.2 102.97,74.45 104.68,74.45 104.95,74.18 104.95,72.51 Q144.3 ; v1(61.7,77.5) 61.5,77.7 C75.2 61.05,78.97 61.05,80.68 61.32,80.95 62.99,80.95 Q70.3 ; Q130.3 95.49,74.45 93.82,74.45 93.55,74.18 93.55,72.47 C105.2 94,71.2 v1(93.9,71.1) ; v1(49.9,61) C120.2 50.97,61.45 52.68,61.45 52.95,61.18 52.95,59.51 Q160.3
  Top w0.2: v1(26.75,9.25) 27.5,10 U1.10 30.74,10 31.24,9.5 31.98,9.5 C1.2 32.48,10.58 Y1.4 ; v1(24.71,72) 24.58,72.13 U13.6 21.43,72.13 20.16,73.41 U12.4 ; v1(30.75,83) 30.25,83.5 C11.2 ; C18.2 30.25,38 v1(30.75,37.5) ; v1(24.71,26.5) 24.58,26.63 U27.6 21.43,26.63 20.16,27.91 U26.4 ; v1(32.5,15.75) 32.5,15.02 C2.2 v1(31.25,15) 30.47,15 29.97,14.5 U1.19 ; v1(24.71,98) 24.58,98.14 U30.6 21.43,98.14 20.16,99.41 U29.4 ; U8.4 20.16,86.41 21.43,85.14 U9.6 24.58,85.14 v1(24.71,85) ; C13.2 30.25,70.5 v1(30.75,70) ; Y1.4 37.21,11.8 R2.2 R1.2 39.01,7.47 J2.7 J2.5 ; Y1.4 32.5,13 v1(32.25,13) 31.75,13.5 Y1.2 ; C9.2 30.25,96.5 v1(30.75,96) ; v1(16.5,6.5) 16,6 U1.74 ; C12.2 30.25,77 v1(30.75,76.5) ; v1(24.71,58.9) 24.48,59.13 U17.6 21.43,59.13 20.16,60.41 U16.4 ; U14.4 20.16,66.91 21.43,65.63 U15.6 24.58,65.63 v1(24.71,65.5) ; C19.2 30.25,31.5 v1(30.75,31) ; C20.2 29.98,24.75 v1(29.5,24.75) ; v1(30.75,57.25) 30.23,57.77 C15.2 ; C14.2 30.25,64 v1(30.75,63.5) ; v1(30.75,89.5) 30.25,90 C10.2 ; v1(30.75,44) 30.25,44.5 C17.2 ; v1(16.5,17) 16,17.5 U1.49 ; U1.99 27,5.16 26.66,5.5 v1(25.75,5.5) 25.38,5.5 24.5,4.62 U1.94 ; U31.4 20.16,92.91 21.43,91.64 U32.6 24.58,91.64 v1(24.71,91.5) ; U20.4 20.16,47.41 21.43,46.13 U21.6 24.58,46.13 v1(24.71,46) ; v1(24.71,33) 24.58,33.13 U25.6 21.43,33.13 20.16,34.41 U24.4 ; U18.4 20.16,53.91 21.43,52.63 U19.6 24.61,52.63 v1(24.75,52.5) ; U22.4 20.16,40.91 21.43,39.63 U23.6 24.58,39.63 v1(24.71,39.5) ; C16.2 30.25,51 v1(30.75,50.5) ; U1.27 v1(27,18) ; U10.4 20.16,79.91 21.43,78.63 U11.6 24.58,78.63 v1(24.71,78.5)
  Top w0.4: U14.4 17.84,68.25 9.75,68.25 J4.5 3.25,61.75 3.25,42 4,42 4.5,41.5 4.5,39.25 7.75,36 7.75,35.12 6.5,33.87 ; RV1.1 9.54,30.82 6.5,33.87 ; U2.3 6.5,33.87
  In2.Cu w0.4: v1(80.25,102.75) 80.25,97.75 v1(80.9,97.1) 80.9,94.8 v1(82.2,93.5) 80.9,92.2 v1(80.9,84.1) 80.9,81.8 v1(82.2,80.5) 80.9,79.2 v1(80.9,71.1) 80.9,68.8 v1(82.2,67.5) 80.9,66.2 v1(80.9,58.1) 80.9,55.8 v1(82.2,54.5) 80.9,53.2 v1(80.9,45.1) 80.9,42.8 v1(82.2,41.5) 80.9,40.2 v1(80.9,32.1) 80.9,29.8 v1(82.2,28.5) 80.9,27.2 80.9,21.7 v1(80.4,21.2) ; v1(41.25,102.75) 41.25,98 41.9,97.35 v1(41.9,97.1) 41.9,94.8 v1(43.2,93.5) 41.9,92.2 v1(41.9,84.1) 41.9,81.8 v1(43.2,80.5) 41.9,79.2 v1(41.9,71.1) 41.9,68.8 v1(43.2,67.5) 41.9,66.2 v1(41.9,58.1) 41.9,55.8 v1(43.2,54.5) 41.9,53.2 v1(41.9,45.1) 41.9,42.8 v1(43.2,41.5) 41.9,40.2 v1(41.9,32.1) 41.9,29.8 v1(43.2,28.5) 41.9,27.2 v1(41.9,22) ; 67.9,97 67.25,97.65 v1(67.25,102.75) ; 67.9,97 v1(67.9,97.1) ; 67.9,97 67.9,94.8 v1(69.2,93.5) 67.9,92.2 v1(67.9,84.1) 67.9,81.8 v1(69.2,80.5) 67.9,79.2 v1(67.9,71.1) 67.9,68.8 v1(69.2,67.5) 67.9,66.2 v1(67.9,58.1) 67.9,55.8 v1(69.2,54.5) 67.9,53.2 v1(67.9,45.1) 67.9,42.8 v1(69.2,41.5) 67.9,40.2 v1(67.9,32.1) 67.9,29.8 v1(69.2,28.5) 67.9,27.2 67.9,21.3 v1(67.8,21.2) ; v1(101.75,102.75) 101.9,102.6 v1(101.9,100) 100.7,98.8 v1(100.7,90.5) 100.7,89.6 101.9,88.4 v1(101.9,87) 100.7,85.8 v1(100.7,77.5) 100.7,76.6 101.9,75.4 v1(101.9,74) 100.7,72.8 v1(100.7,64.5) 100.7,63.6 101.9,62.4 v1(101.9,61) 100.7,59.8 v1(100.7,51.5) 100.7,50.6 101.9,49.4 v1(101.9,48) 100.7,46.8 v1(100.7,38.5) 100.7,37.6 101.9,36.4 v1(101.9,35) 100.7,33.8 v1(100.7,25.5) 100.7,24.6 101.9,23.4 101.9,21.3 v1(101.8,21.2) ; v1(36.75,102.75) 36.9,102.6 v1(36.9,100) 35.7,98.8 v1(35.7,90.5) 35.7,89.6 36.9,88.4 v1(36.9,87) 35.7,85.8 v1(35.7,77.5) 35.7,76.6 36.9,75.4 v1(36.9,74) 35.7,72.8 v1(35.7,64.5) 35.7,63.6 36.9,62.4 v1(36.9,61) 35.7,59.8 v1(35.7,51.5) 35.7,50.6 36.9,49.4 v1(36.9,48) 35.7,46.8 v1(35.7,38.5) 35.7,37.6 36.9,36.4 v1(36.9,35) 35.7,33.8 v1(35.7,25.5) 35.7,24.6 36.9,23.4 v1(36.9,22) ; v1(54.8,21.2) 54.9,21.3 54.9,27.2 v1(56.2,28.5) 54.9,29.8 v1(54.9,32.1) 54.9,40.2 v1(56.2,41.5) 54.9,42.8 v1(54.9,45.1) 54.9,53.2 v1(56.2,54.5) 54.9,55.8 v1(54.9,58.1) 54.9,66.2 v1(56.2,67.5) 54.9,68.8 v1(54.9,71.1) 54.9,79.2 v1(56.2,80.5) 54.9,81.8 v1(54.9,84.1) 54.9,92.2 v1(56.2,93.5) 54.9,94.8 v1(54.9,97.1) 54.25,97.75 v1(54.25,102.75) ; v1(62.8,21.2) 62.9,21.3 62.9,23.4 61.7,24.6 v1(61.7,25.5) 61.7,33.8 v1(62.9,35) 62.9,36.4 61.7,37.6 v1(61.7,38.5) 61.7,46.8 v1(62.9,48) 62.9,49.4 61.7,50.6 v1(61.7,51.5) 61.7,59.8 v1(62.9,61) 62.9,62.4 61.7,63.6 v1(61.7,64.5) 61.7,72.8 v1(62.9,74) 62.9,75.4 61.7,76.6 v1(61.7,77.5) 61.7,85.8 v1(62.9,87) 62.9,88.4 61.7,89.6 v1(61.7,90.5) 61.7,98.8 v1(62.9,100) 62.9,102.65 v1(63,102.75) ; v1(89,21.2) 89,22.01 87.7,23.31 v1(87.7,25.5) 87.7,33.8 v1(88.9,35) 88.9,36.4 87.7,37.6 v1(87.7,38.5) 87.7,46.8 v1(88.9,48) 88.9,49.4 87.7,50.6 v1(87.7,51.5) 87.7,59.8 v1(88.9,61) 88.9,62.4 87.7,63.6 v1(87.7,64.5) 87.7,72.8 v1(88.9,74) 88.9,75.4 87.7,76.6 v1(87.7,77.5) 87.7,85.8 v1(88.9,87) 88.9,88.4 87.7,89.6 v1(87.7,90.5) 87.7,98.8 v1(88.9,100) 88.9,102.65 v1(89,102.75) ; v1(75.9,21.2) 75.9,23.4 74.7,24.6 v1(74.7,25.5) 74.7,33.8 v1(75.9,35) 75.9,36.4 74.7,37.6 v1(74.7,38.5) 74.7,46.8 v1(75.9,48) 75.9,49.4 74.7,50.6 v1(74.7,51.5) 74.7,59.8 v1(75.9,61) 75.9,62.4 74.7,63.6 v1(74.7,64.5) 74.7,72.8 v1(75.9,74) 75.9,75.4 74.7,76.6 v1(74.7,77.5) 74.7,85.8 v1(75.9,87) 75.9,88.4 74.7,89.6 v1(74.7,90.5) 74.7,98.8 v1(75.9,100) 75.9,102.4 v1(76.25,102.75) ; v1(94,21.2) 93.9,21.3 93.9,27.2 v1(95.2,28.5) 93.9,29.8 v1(93.9,32.1) 93.9,40.2 v1(95.2,41.5) 93.9,42.8 v1(93.9,45.1) 93.9,53.2 v1(95.2,54.5) 93.9,55.8 v1(93.9,58.1) 93.9,66.2 v1(95.2,67.5) 93.9,68.8 v1(93.9,71.1) 93.9,79.2 v1(95.2,80.5) 93.9,81.8 v1(93.9,84.1) 93.9,92.2 v1(95.2,93.5) 93.9,94.8 v1(93.9,97.1) 93.25,97.75 v1(93.25,102.75) ; v1(50,102.75) 49.9,102.65 v1(49.9,100) 48.7,98.8 v1(48.7,90.5) 48.7,89.6 49.9,88.4 v1(49.9,87) 48.7,85.8 v1(48.7,77.5) 48.7,76.6 49.9,75.4 v1(49.9,74) 48.7,72.8 v1(48.7,64.5) 48.7,63.6 49.9,62.4 v1(49.9,61) 48.7,59.8 v1(48.7,51.5) 48.7,50.6 49.9,49.4 v1(49.9,48) 48.7,46.8 v1(48.7,38.5) 48.7,37.6 49.9,36.4 v1(49.9,35) 48.7,33.8 v1(48.7,25.5) 48.7,24.6 49.9,23.4 49.9,21.5 v1(49.6,21.2) ; v1(106,19.75) 106.9,19.75 106.9,27.2 v1(108.2,28.5) 106.9,29.8 v1(106.9,32.1) 106.9,40.2 v1(108.2,41.5) 106.9,42.8 v1(106.9,45.1) 106.9,53.2 v1(108.2,54.5) 106.9,55.8 v1(106.9,58.1) 106.9,66.2 v1(108.2,67.5) 106.9,68.8 v1(106.9,71.1) 106.9,79.2 v1(108.2,80.5) 106.9,81.8 v1(106.9,84.1) 106.9,92.2 v1(108.2,93.5) 106.9,94.8 v1(106.9,97.1) 106.25,97.75 106.25,102 v1(107,102.75)
  Bottom w0.2: C157.2 v1(24.71,98) C158.2 23.42,96.19 23.42,93.31 C159.2 v1(24.71,91.5) C160.2 23.52,89.79 23.52,86.71 C45.2 v1(24.71,85) C46.2 24.02,83.79 24.02,79.71 C47.2 v1(24.71,78.5) C48.2 24.02,77.29 24.02,73.21 C49.2 v1(24.71,72) C50.2 24,70.77 24,66.73 C51.2 v1(24.71,65.5) C52.2 23.82,64.09 23.82,60.41 C53.2 v1(24.71,58.9) C54.2 23.87,57.64 23.87,53.9 C55.2 v1(24.75,52.5) C56.2 24.12,51.35 24.12,47.11 C57.2 v1(24.71,46) C58.2 24.21,44.98 24.21,40.52 C59.2 v1(24.71,39.5) C60.2 23.87,38.14 23.87,34.36 C61.2 v1(24.71,33) C62.2 24.21,31.98 24.21,27.52 C63.2 v1(24.71,26.5) C64.2 24,25.27 24,22 29.5,22 v1(29.5,24.75) 30.25,24.75 30.75,25.25 v1(30.75,31) v1(30.75,37.5) v1(30.75,44) v1(30.75,50.5) v1(30.75,57.25) v1(30.75,63.5) v1(30.75,70) v1(30.75,76.5) v1(30.75,83) v1(30.75,89.5) v1(30.75,96) 31,96.25 31,102.25 30.5,102.75 ; 13.9,12.4 14,12.3 14,10 15.5,8.5 15.5,6.5 v1(16.5,6.5) ; 13.9,12.4 J3.6 J3.5 ; 13.9,12.4 14.58,13.07 15.18,13.07 15.42,13.32 15.42,13.68 14.98,14.12 C6.2 14.98,15.48 v1(16.5,17) 16.5,17.48 C7.2 16.23,21.98 16.25,22 ; v1(31.25,15) 31.23,15.02 C8.2 26.73,15.02 26.25,15.5 26.25,17.25 v1(27,18) 27,22 ; v1(26.75,9.25) 27.23,9.25 C4.2 27.5,7.25 v1(25.75,5.5) C5.2 ; v1(32.5,15.75) 32.25,15.5 v1(32.25,13)
  Bottom w0.4: J3.6 J3.6 J3.6 J3.6 ; C157.2 25.75,99.56 25.75,101 27.5,102.75 v1(36.75,102.75) v1(41.25,102.75) v1(50,102.75) v1(54.25,102.75) v1(63,102.75) v1(67.25,102.75) v1(76.25,102.75) v1(80.25,102.75) v1(89,102.75) v1(93.25,102.75) v1(101.75,102.75) v1(107,102.75) ; v1(106,19.75) 104.55,21.2 42.8,21.2 42,22 v1(36.9,22) 14.25,22 9.54,26.71 RV1.1
